# Altium PCB DIOT_Kasli_Adapter.PcbDoc (part 10 of 10)
Units mm, origin at the board's own origin, x right, y up, seen from the top; angles counter-clockwise.
Board outline 220.04 x 100 mm, 12 copper layers (Top Layer, L2GND, L3, L4, L5GND, L6, L7, L8GND, L9, L10, L11GND, Bottom Layer), stack 1.691 mm thick; 201 components, 445 nets, 1582 pads, 691 vias.
Unrouted connection lines stored in the file: 4.
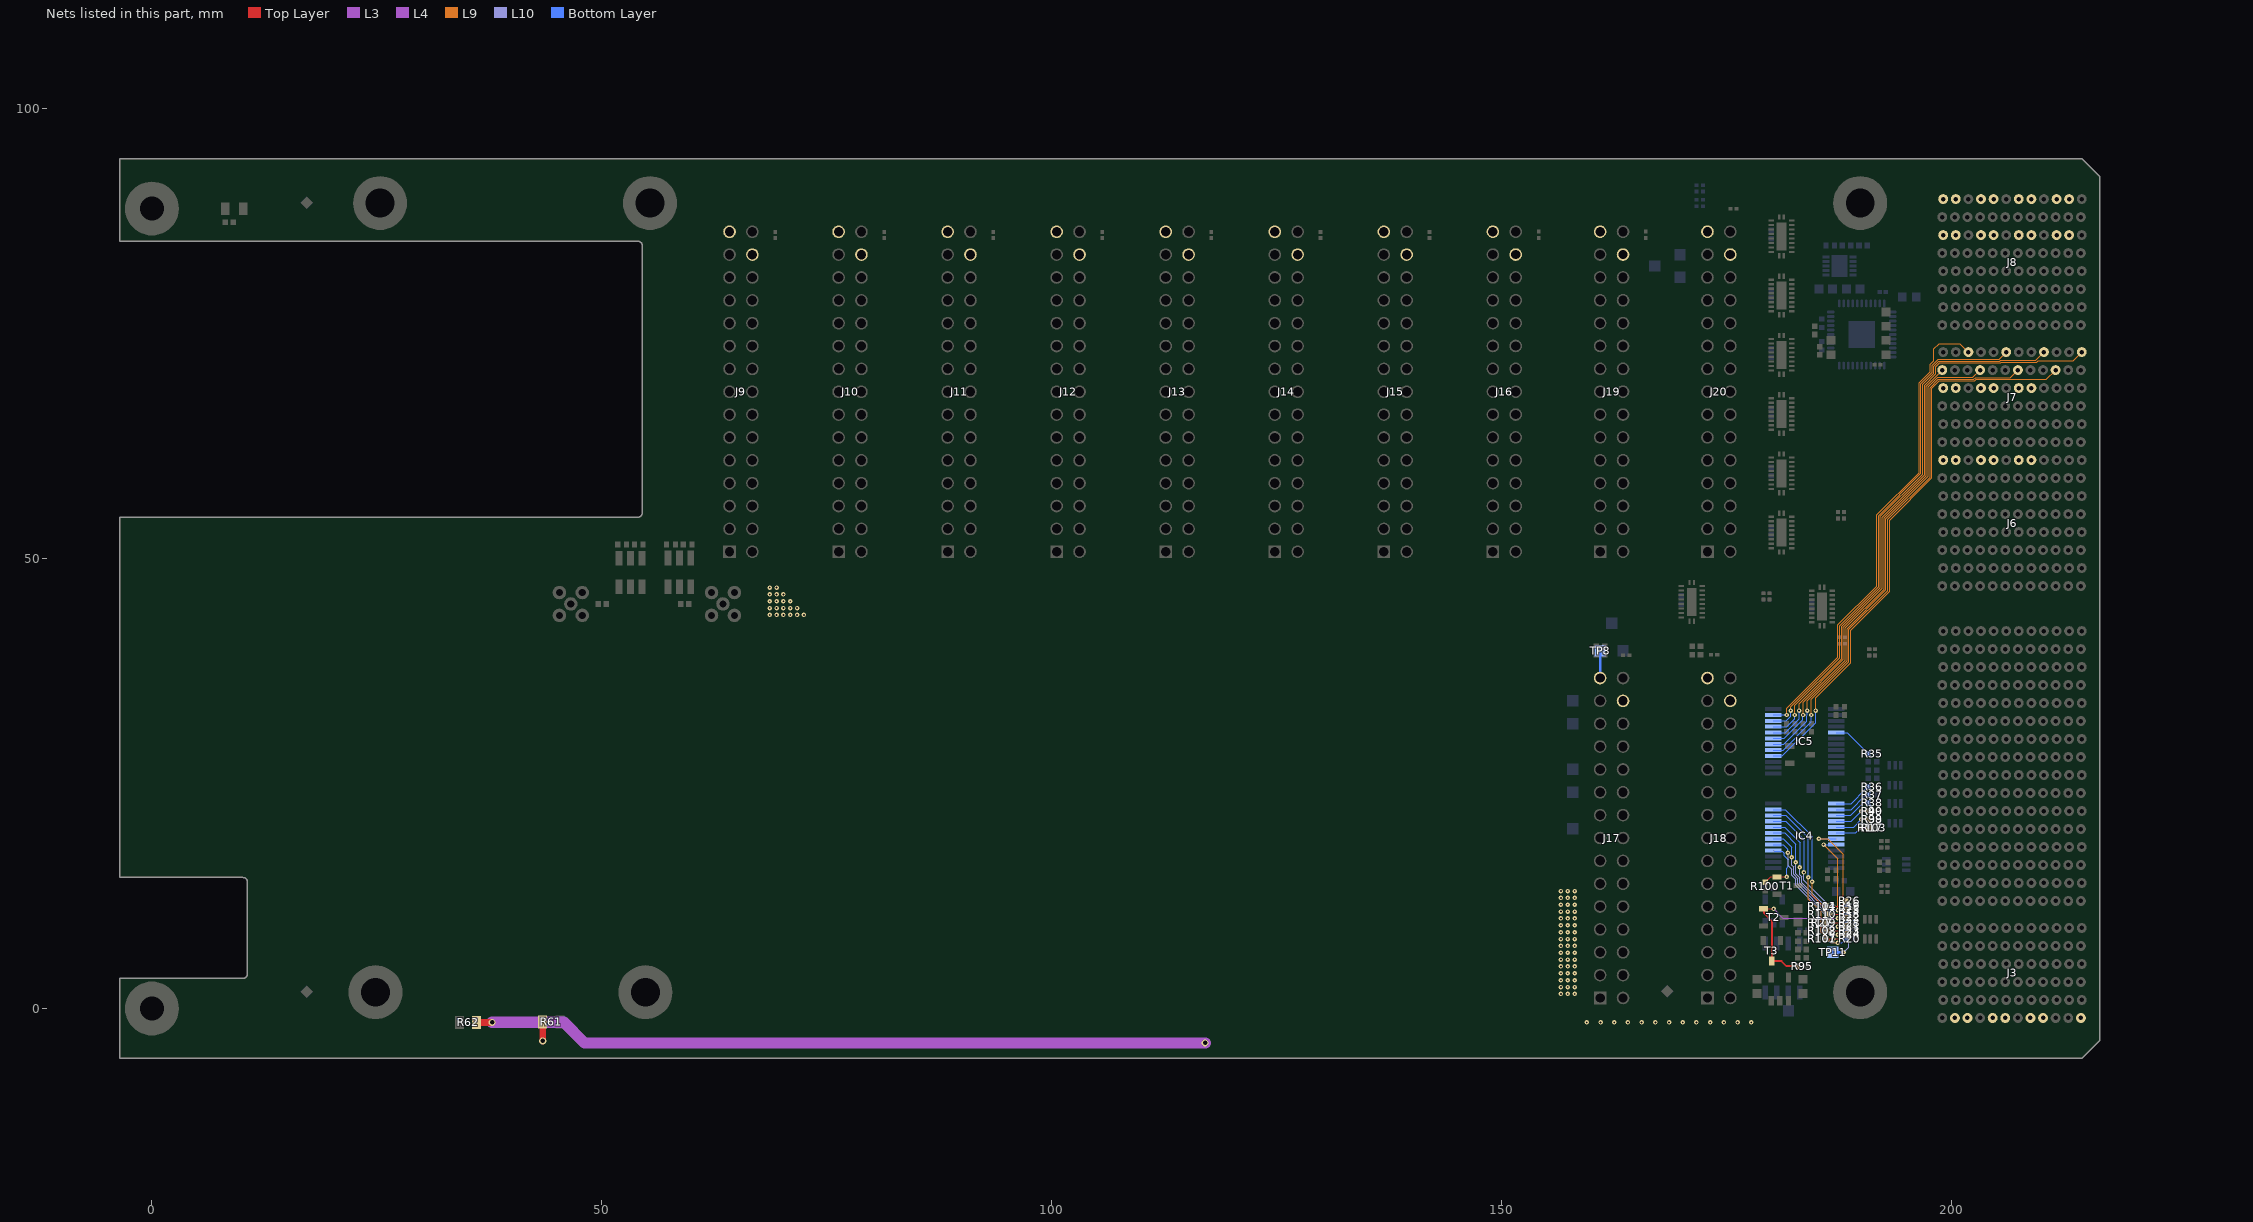
[diagram p20: the nets of this part, all layers, seen from the top]

## Via types
v1: diameter 0.5, hole 0.2, Top Layer to Bottom Layer, tented both sides, 649 vias
v2: diameter 0.5, hole 0.2, Top Layer to Bottom Layer, 32 vias
v3: diameter 0.65, hole 0.3, Top Layer to Bottom Layer, tented both sides, 6 vias
v4: diameter 0.8, hole 0.5, Top Layer to Bottom Layer, tented both sides, 4 vias

## Nets (pads, with @x,y where several pads share a name; then routed paths per layer and width w, separated by ;. In a path a pad name is that pad's centre, name@x,y a point inside that pad or via, vN(x,y) a via of type N, cw(c..) or ccw(c..) an arc to the next point about the centre after c; other vN are vias at no path point) (continued)
P12V0: J3.A1 J3.D1 J3.E1 J3.G1 J3.H1 J3.J1 J3.K1 J9.28 J9.29 J10.28 J10.29 J11.28 J11.29 J12.28 J12.29 J13.28 J13.29 J14.28 J14.29 J15.28 J15.29 J16.28 J16.29 J17.28 J17.29 J18.28 J18.29 J19.28 J19.29 J20.28 J20.29 TP8.1 | length 3
  Bottom Layer w0.254: J17.29@160.947,36.73 TP8.1@160.947,39.778
  other v1: 159.461,-1.549 160.985,-1.549 162.509,-1.549 164.033,-1.549 165.557,-1.549 167.081,-1.549 168.605,-1.549 170.129,-1.549 171.653,-1.549 173.177,-1.549 174.701,-1.549 176.225,-1.549 177.749,-1.549 156.591,1.626 157.353,1.626 158.115,1.626 156.591,2.388 157.353,2.388 158.115,2.388 156.591,3.15 157.353,3.15 158.115,3.15 156.591,3.912 157.353,3.912 158.115,3.912 156.591,4.674 157.353,4.674 158.115,4.674 156.591,5.436 157.353,5.436 158.115,5.436 156.591,6.198 157.353,6.198 158.115,6.198 156.591,6.96 157.353,6.96 158.115,6.96 156.591,7.722 157.353,7.722 158.115,7.722 156.591,8.484 157.353,8.484 158.115,8.484 156.591,9.246 157.353,9.246 158.115,9.246 156.591,10.008 157.353,10.008 158.115,10.008 156.591,10.77 157.353,10.77 158.115,10.77 156.591,11.532 157.353,11.532 158.115,11.532 156.591,12.294 157.353,12.294 158.115,12.294 156.591,13.056 157.353,13.056 158.115,13.056 68.656,43.739 69.418,43.739 70.18,43.739 70.942,43.739 71.704,43.739 72.466,43.739 68.656,44.501 69.418,44.501 70.18,44.501 70.942,44.501 71.704,44.501 68.656,45.263 69.418,45.263 70.18,45.263 70.942,45.263 68.656,46.025 69.418,46.025 70.18,46.025 68.656,46.787 69.418,46.787
P_IO0: IC4.13 R36.1 | length 4.4
  Bottom Layer w0.102: IC4.13@187.166,22.764 188.836,22.764 190.481,24.41 190.501,24.41 190.741,24.649 R36.1@190.741,24.669
P_IO1: IC4.14 R37.1 | length 4.3
  Bottom Layer w0.102: IC4.14@187.166,22.114 188.842,22.114 190.358,23.63 190.615,23.63 R37.1@190.741,23.755
P_IO2: IC4.15 R38.1 | length 4.1
  Bottom Layer w0.102: IC4.15@187.166,21.464 188.798,21.464 190.174,22.84 R38.1@190.741,22.84
P_PRES0_N: IC4.17 R39.1 R98.1 | length 4.7
  Top Layer w0.102: v1(189.954,21.012) R98.1@190.741,21.012
  Bottom Layer w0.102: IC4.17@187.166,20.164 189.107,20.164 v1(189.954,21.012) R39.1@190.741,21.012
P_PRES1_N: IC4.16 R40.1 R99.1 | length 4.8
  Top Layer w0.102: v1(189.954,21.926) R99.1@190.741,21.926
  Bottom Layer w0.102: IC4.16@187.166,20.814 188.842,20.814 v1(189.954,21.926) R40.1@190.741,21.926
P_RST: IC5.17 R35.1 | length 4.6
  Bottom Layer w0.102: IC5.17@187.166,30.67 188.398,30.67 190.481,28.586 190.501,28.586 190.741,28.347 R35.1@190.741,28.327
PRST_N: IC4.11 R23.1 R102.1 | length 20.6
  L9 w0.127: v1(184.505,14.077) 184.505,12.599 186.09,11.014 186.09,8.785 186.676,8.198 v1(187.361,8.198)
  Bottom Layer w0.127: IC4.11@180.166,22.114 181.513,22.114 184.505,19.122 v1(184.505,14.077) ; R102.1@186.115,8.643 186.115,8.623 186.342,8.397 186.362,8.397 186.56,8.198 v1(187.361,8.198) 187.794,8.198 187.992,8.397 188.012,8.397 188.239,8.623 R23.1@188.239,8.643
PS_ON_N: R18.1 R95.1 T2.1 T3.3 TP11.1 | length 24.7
  Top Layer w0.127: T2.1@179.159,10.999 179.23,11.07 v1(180.219,11.07)
  Top Layer w0.203: T2.1@179.159,10.999 179.159,10.584 180.038,9.705 T3.3@180.038,5.275 181.103,5.275 181.658,4.72 R95.1@182.91,4.72
  L10 w0.127: v1(187.361,10.03) 188.595,8.796 188.595,6.833 v1(188.025,6.262)
  L4 w0.127: v1(180.219,11.07) 181.26,10.03 v1(187.361,10.03)
  Bottom Layer w0.127: v1(187.361,10.03) 187.794,10.03 187.992,10.228 188.012,10.228 188.239,10.454 R18.1@188.239,10.474
  Bottom Layer w0.305: TP11.1@186.799,6.262 v1(188.025,6.262)
PWR_Cycle_REQ_4: IC4.4 R100.2 T1.1 | length 6.9
  Top Layer w0.127: R100.2@179.298,14.039 179.88,14.621 v1(181.686,14.621)
  Bottom Layer w0.127: IC4.4@180.166,17.564 180.278,17.452 181.207,17.452 181.397,17.261 181.397,16.987 181.866,16.519 181.866,15.795 181.686,15.614 v1(181.686,14.621)
PWR_FAIL_N: IC4.20 R19.1 R104.1 | length 11.8
  L9 w0.127: v1(185.775,18.218) 187.361,16.631 v1(187.361,10.945)
  Bottom Layer w0.127: v1(185.775,18.218) 185.778,18.214 IC4.20@187.166,18.214 ; R104.1@186.115,11.39 186.115,11.37 186.342,11.144 186.362,11.144 186.56,10.945 v1(187.361,10.945) 187.794,10.945 187.992,11.144 188.012,11.144 188.239,11.37 R19.1@188.239,11.39
PWRBTN_N: IC4.18 R17.1 R103.1 | length 4.6
  Top Layer w0.102: v1(189.954,20.097) R103.1@190.741,20.097
  Bottom Layer w0.102: IC4.18@187.166,19.514 189.371,19.514 v1(189.954,20.097) R17.1@190.741,20.097
RST_N: IC4.10 R20.1 R101.1 | length 20.9
  L9 w0.127: v1(184.073,14.585) 184.073,12.17 185.513,10.73 185.513,8.465 186.695,7.283 v1(187.361,7.283)
  Bottom Layer w0.127: IC4.10@180.166,21.464 181.575,21.464 184.073,18.966 v1(184.073,14.585) ; R101.1@186.115,7.727 186.115,7.707 186.342,7.481 186.362,7.481 186.56,7.283 v1(187.361,7.283) 187.794,7.283 187.992,7.481 188.012,7.481 188.239,7.707 R20.1@188.239,7.727
SERVMOD.1_SERVMOD_5: IC5.4 J7.C5 | length 63.4
  L9 w0.102: v1(184.882,33.104) 184.882,34.548 188.788,38.454 188.788,42.039 193.114,46.366 193.114,54.27 197.808,58.965 197.808,68.928 198.62,69.739 202.575,69.739 202.757,69.921 210.54,69.921 J7.C5@211.569,70.95
  Bottom Layer w0.102: IC5.4@180.166,28.07 180.172,28.076 181.184,28.076 184.882,31.774 v1(184.882,33.104)
SERVMOD.2_SERVMOD_5: IC5.5 J7.F5 | length 58.7
  L9 w0.102: v1(184.411,32.62) 184.411,34.364 188.585,38.538 188.585,42.123 192.911,46.45 192.911,54.355 197.605,59.049 197.605,69.012 198.536,69.942 202.491,69.942 202.673,70.124 206.543,70.124 J7.F5@207.369,70.95
  Bottom Layer w0.102: IC5.5@180.166,28.72 181.278,28.72 184.411,31.852 v1(184.411,32.62)
SERVMOD.3_SERVMOD_5: IC5.6 J7.I5 | length 54.1
  L9 w0.102: v1(183.966,33.104) 183.966,34.207 188.381,38.622 188.381,42.208 192.708,46.534 192.708,54.439 197.402,59.133 197.402,69.096 198.452,70.145 202.364,70.145 J7.I5@203.169,70.95
  Bottom Layer w0.102: IC5.6@180.166,29.37 181.323,29.37 183.897,31.944 183.897,32.505 183.966,32.573 v1(183.966,33.104)
SERVMOD.4_SERVMOD_5: IC5.7 J7.L5 | length 49.4
  L9 w0.102: v1(183.495,32.62) 183.495,34.023 188.178,38.707 188.178,42.292 192.505,46.618 192.505,54.523 197.199,59.217 197.199,69.18 J7.L5@198.969,70.95
  Bottom Layer w0.102: IC5.7@180.166,30.02 181.399,30.02 183.479,32.1 183.479,32.604 v1(183.495,32.62)
SERVMOD.5_SERVMOD_5: IC5.8 J7.A6 | length 65.8
  L9 w0.102: v1(183.05,33.104) 183.05,33.866 187.975,38.791 187.975,42.376 192.302,46.702 192.302,54.607 196.996,59.301 196.996,69.282 198.238,70.524 198.238,71.321 198.67,71.753 205.446,71.753 205.53,71.836 209.476,71.836 209.646,72.006 213.525,72.006 J7.A6@214.469,72.95
  Bottom Layer w0.102: IC5.8@180.167,30.671 181.545,30.671 183.05,32.176 v1(183.05,33.104)
SERVMOD.6_SERVMOD_5: IC5.9 J7.D6 | length 61.3
  L9 w0.102: v1(182.579,32.62) 182.579,33.682 187.772,38.875 187.772,42.46 192.098,46.787 192.098,54.691 196.792,59.385 196.792,69.366 198.035,70.609 198.035,71.405 198.586,71.956 205.362,71.956 205.445,72.039 209.358,72.039 J7.D6@210.269,72.95
  Bottom Layer w0.102: IC5.9@180.166,31.32 181.701,31.32 182.579,32.198 v1(182.579,32.62)
SERVMOD.7_SERVMOD_5: IC5.10 J7.G6 | length 56.5
  L9 w0.102: v1(182.135,33.104) 182.135,33.525 187.569,38.959 187.569,42.544 191.895,46.871 191.895,54.775 196.589,59.47 196.589,69.451 197.831,70.693 197.831,71.489 198.502,72.159 205.278,72.159 J7.G6@206.069,72.95
  Bottom Layer w0.102: IC5.10@180.166,31.97 181.609,31.97 182.135,32.495 v1(182.135,33.104)
SERVMOD.8_SERVMOD_5: IC5.11 J7.J6 | length 53.5
  L9 w0.102: v1(181.69,32.62) 181.69,33.368 187.365,39.043 187.365,42.628 191.692,46.955 191.692,54.86 196.386,59.554 196.386,69.535 197.628,70.777 197.628,71.579 198.045,71.996 198.045,73.331 198.614,73.9 200.919,73.9 J7.J6@201.869,72.95
  Bottom Layer w0.102: IC5.11@180.166,32.62 v1(181.69,32.62)
SHARED_BUS_0: IC4.5 R24.1 R107.1 | length 16.3
  Top Layer w0.127: R107.1@186.115,7.727 v1(186.877,7.727) 187.68,7.727 187.992,8.04 188.012,8.04 188.239,8.266 R24.1@188.239,8.286
  L10 w0.127: v1(181.813,17.303) 181.829,17.286 181.829,15.872 182.219,15.482 182.219,14.8 182.676,14.343 182.676,13.706 185.913,10.469 185.913,9.233 186.361,8.785 186.361,8.244 v1(186.877,7.727)
  Bottom Layer w0.127: IC4.5@180.166,18.214 181.285,18.214 181.813,17.687 v1(181.813,17.303)
SHARED_BUS_1: IC4.6 R21.1 R108.1 | length 16
  Top Layer w0.127: R108.1@186.115,8.643 v1(186.877,8.643) 187.68,8.643 187.992,8.955 188.012,8.955 188.239,9.182 R21.1@188.239,9.202
  L10 w0.127: v1(182.244,16.812) 182.244,15.942 182.448,15.739 182.448,14.895 182.905,14.438 182.905,13.801 186.157,10.549 186.157,9.364 v1(186.877,8.643)
  Bottom Layer w0.127: IC4.6@180.166,18.864 181.311,18.864 182.244,17.931 v1(182.244,16.812)
SHARED_BUS_2: IC4.7 R22.1 R109.1 | length 15.8
  Top Layer w0.127: R109.1@186.115,9.559 v1(186.877,9.559) 187.68,9.559 187.992,9.871 188.012,9.871 188.239,10.098 R22.1@188.239,10.118
  L10 w0.127: v1(182.676,16.264) 182.676,14.99 183.133,14.532 183.133,13.895 186.409,10.62 186.409,10.028 v1(186.877,9.559)
  Bottom Layer w0.127: IC4.7@180.166,19.514 181.441,19.514 182.676,18.279 v1(182.676,16.264)
SHARED_BUS_3: IC4.8 R25.1 R110.1 | length 15.6
  Top Layer w0.127: R110.1@186.115,10.474 v1(186.877,10.474) 187.68,10.474 187.992,10.787 188.012,10.787 188.239,11.013 R25.1@188.239,11.033
  L10 w0.127: v1(183.136,15.692) 183.136,14.853 183.362,14.627 183.362,13.99 v1(186.877,10.474)
  Bottom Layer w0.127: IC4.8@180.166,20.164 181.443,20.164 183.159,18.448 183.159,15.715 v1(183.136,15.692)
SHARED_BUS_4: IC4.9 R26.1 R111.1 | length 15.7
  Top Layer w0.127: R111.1@186.115,11.39 v1(186.877,11.39) 187.68,11.39 187.992,11.702 188.012,11.702 188.239,11.929 R26.1@188.239,11.949
  L10 w0.127: v1(183.591,15.119) 183.591,14.253 186.453,11.39 v1(186.877,11.39)
  Bottom Layer w0.127: IC4.9@180.166,20.814 181.561,20.814 183.641,18.734 183.641,15.17 v1(183.591,15.119)
SLOT6.LVDS_8_3_N: J6.F8
SLOT6.LVDS_8_3_P: J6.E8
SLOT6.LVDS_9_3_N: J6.I8
SLOT6.LVDS_9_3_P: J6.H8
SLOT6.LVDS_10_3_N: J6.L8
SLOT6.LVDS_10_3_P: J6.K8
SLOT6.LVDS_11_3_N: J8.C6
SLOT6.LVDS_11_3_P: J8.B6
SLOT6.LVDS_12_3_N: J8.F6
SLOT6.LVDS_12_3_P: J8.E6
SLOT6.LVDS_13_3_N: J8.I6
SLOT6.LVDS_13_3_P: J8.H6
SLOT6.LVDS_14_3_N: J8.L6
SLOT6.LVDS_14_3_P: J8.K6
SLOT8.LVDS_8_3_N: J7.F4
SLOT8.LVDS_8_3_P: J7.E4
SLOT8.LVDS_9_3_N: J7.I4
SLOT8.LVDS_9_3_P: J7.H4
SLOT8.LVDS_10_3_N: J7.L4
SLOT8.LVDS_10_3_P: J7.K4
SLOT8.LVDS_11_3_N: J8.C8
SLOT8.LVDS_11_3_P: J8.B8
SLOT8.LVDS_12_3_N: J8.F8
SLOT8.LVDS_12_3_P: J8.E8
SLOT8.LVDS_13_3_N: J8.I8
SLOT8.LVDS_13_3_P: J8.H8
SLOT8.LVDS_14_3_N: J8.L8
SLOT8.LVDS_14_3_P: J8.K8
STRIP2_5: R61.1 | length 2.1
  Top Layer w0.762: v4(43.43,-3.6) R61.1@43.43,-1.488
STRIP3_5: R62.1 | length 81.9
  Top Layer w0.762: R62.1@36.08,-1.538 v4(37.795,-1.538)
  L3 w1.27: v4(37.795,-1.538) 45.79,-1.538 48.082,-3.83 v4(117.043,-3.83)
SYSEN_5_N: IC4.19 R27.1 R28.1 | length 16.1
  L9 w0.127: v1(185.267,18.864) 186.246,18.864 187.959,17.151 187.959,9.712 v1(187.361,9.114)
  Bottom Layer w0.127: v1(185.267,18.864) IC4.19@187.166,18.864 ; R27.1@186.115,9.559 186.115,9.539 186.342,9.312 186.362,9.312 186.56,9.114 v1(187.361,9.114) 187.794,9.114 187.992,9.312 188.012,9.312 188.239,9.539 R28.1@188.239,9.559
pads on no net: D1.2 D4.3 FTG1.1 FTG2.1 FTG3.1 FTG4.1 FTG5.1 FTG6.1 IC1.11 IC1.13 IC1.21 IC1.24 IC1.25 IC1.26 IC1.27 IC1.28 IC2.4 IC3.4 IC4.1 IC5.1 IC6.7 IC7.5 IC8.1 IC8.10 IC9.1 IC9.10 IC10.1 IC10.10 IC11.1 IC11.10 IC12.1 IC12.10 IC13.1 IC13.10 IC14.1 IC14.10 IC15.1 IC15.10 J3.D5 J3.E4 J3.E5 J3.F4 J3.K2 J4.A1 J4.B1 J4.B2 J4.C2 J4.D1 J4.D3 J4.E1 J4.E2 J4.E3 J4.F2 J4.G1 J4.H1 J4.H2 J4.I2 J4.J1 J4.K1 J4.K2 J4.L2 J6.D1 J6.D3 J6.D5 J6.D7 J6.E1 J6.E3 J6.E5 J6.E7 J7.D1 J7.D3 J7.E1 J7.E3

## Polygon pours and split planes (outlines as drawn)
GND on Bottom Layer "GND_L12_P250" (solid, remove dead copper, pour order 250): -3.57,54.604 54,54.604 54.5,55.104 54.5,84.774 54,85.274 -3.57,85.274 -3.57,92.45 216.469,92.45 216.469,-2.998 3.962,-2.998 3.962,3.353 10.117,3.353 10.617,3.853 10.617,14.061 10.117,14.561 -3.57,14.561
P3V3 on Bottom Layer "P3V3_L12_P242" (solid, remove dead copper, pour order 242): 186.588,30.169 186.588,24.917 186.114,24.443 185.996,24.443 183.388,27.051 180.746,27.051 180.645,27.153 180.645,27.537 180.819,27.711 181.788,27.711 184.833,30.757 186.001,30.757
P3V3 on Bottom Layer "P3V3_L12_P241" (solid, remove dead copper, pour order 241): 186.487,81.331 186.487,86.589 185.344,87.732 185.344,92.1 184.994,92.45 182.392,92.45 182.027,92.085 182.027,91.252 184.023,89.256 184.023,79.146 184.328,78.842 185.09,78.842 185.699,79.451 185.699,80.543
GND on Bottom Layer "GND_L12_P214" (solid, remove dead copper, pour order 214): 198.43,47.15 198.43,41.225 216.205,41.225 216.205,47.15
STRIP3_5 on Bottom Layer "esd1" (solid, pour order 227): 213.963,-4.55 213.98,-4.55 215.48,-3.05 116.43,-3.05 116.43,-4.55
STRIP2_5 on Bottom Layer "esd1" (solid, pour order 226): 79.363,-4.55 96.43,-4.55 96.43,-3.05 41.43,-3.05 41.43,-4.55
CHASSIS on Bottom Layer "esd1" (solid, pour order 225): -3.32,1.525 3.805,1.525 3.805,-3 36.43,-3 36.43,-4.5 -3.32,-4.5
P1V8 on Bottom Layer "P1V8_L12_P216" (solid, remove dead copper, pour order 216): 195.214,81.277 194.412,82.079 191.874,82.079 190.856,81.061 190.856,79.988 190.749,79.881 188.914,79.881 188.617,80.178 188.617,81.861 188.956,82.2 190.036,82.2 191.112,83.276 195.684,83.276 197.083,81.878 197.083,78.245 196.885,78.048 195.396,78.048 195.214,78.23
GND on Top Layer "GND_L01_P243" (solid, remove dead copper, pour order 243): -3.57,54.604 54,54.604 54.5,55.104 54.5,84.774 54,85.274 -3.57,85.274 -3.57,92.45 216.469,92.45 216.469,-2.998 3.962,-2.998 3.962,3.353 10.117,3.353 10.617,3.853 10.617,14.061 10.117,14.561 -3.57,14.561
STRIP3_5 on Top Layer "esd1" (solid, pour order 232): 213.963,-4.55 213.98,-4.55 215.48,-3.05 116.43,-3.05 116.43,-4.55
GND on Top Layer "GND_L01_P213" (solid, remove dead copper, pour order 213): 198.43,47.15 198.43,41.225 216.205,41.225 216.205,47.15
P3V3 on Top Layer "P3V3_L01_P228" (solid, remove dead copper, pour order 228): 188.493,14.101 185.773,11.38 185.773,6.017 185.622,5.867 184.508,5.867 184.307,6.068 184.307,12.121 186.685,14.499 186.685,27.391 184.8,29.276 184.8,30.293 185.176,30.669 186.35,30.669 188.341,28.677 188.341,26.154 192.176,22.319 192.176,19.688 191.918,19.43 190.607,19.43 188.493,17.316
STRIP2_5 on Top Layer "esd1" (solid, pour order 230): 79.363,-4.55 96.43,-4.55 96.43,-3.05 41.43,-3.05 41.43,-4.55
CHASSIS on Top Layer "esd1" (solid, pour order 229): -3.32,1.525 3.805,1.525 3.805,-3 36.43,-3 36.43,-4.5 -3.32,-4.5
no net on Mechanical 9 "Panelisation" (hatched 45Degree grid 2.54 track 0.1, pour order 189): -20.97,-7.94 234.105,-7.94 234.105,-22.94 -20.97,-22.94
no net on Mechanical 9 "Panelisation" (hatched 45Degree grid 2.54 track 0.1): -20.969,96.86 234.045,96.86 234.045,111.86 -20.969,111.86
P12V0 on L6 "L6-P12V0" (solid, remove dead copper, pour order 238): 69.215,39.827 154.661,39.827 155.372,39.116 155.372,-0.813 157.099,-2.54 214.249,-2.54 215.113,-1.676 215.113,-0.618 214.52,-0.025 194.386,-0.025 193.396,-1.016 182.55,-1.016 181.851,-0.318 160.312,-0.318 159.614,0.381 159.614,29.794 160.274,30.455 174.217,30.455 176.632,32.87 176.632,35.51 174.067,38.075 166.597,38.075 161.339,43.332 144.221,43.332 142.697,44.856 100.076,44.856 96.266,48.666 90.607,48.666 86.766,52.507 86.766,70.688 88.087,72.009 141.808,72.009 146.99,77.191 165.786,77.191 168.402,79.807 173.969,79.807 176.733,82.571 176.733,85.009 173.782,87.96 63.475,87.96 62.535,87.02 62.535,85.217 68.25,79.502 68.25,40.792
P12V0 on L3 "P12V0_L03_P253" (solid, remove dead copper, pour order 253): 214.52,-0.025 215.113,-0.618 215.113,-1.676 214.249,-2.54 157.099,-2.54 155.372,-0.813 155.372,13.478 155.966,14.072 159.004,14.072 159.614,13.462 159.614,0.381 160.312,-0.318 181.851,-0.318 182.55,-1.016 193.396,-1.016 194.386,-0.025
P3V3 on L3 "P3V3_L03_P240" (solid, remove dead copper, pour order 240): 178.206,88.57 182.087,92.45 184.994,92.45 185.344,92.1 185.344,87.782 182.143,84.582 182.143,51.511 184.531,49.124 184.531,44.518 182.837,42.824 170.133,42.824 168.251,44.706 168.251,45.498 171.877,49.124 176.432,49.124 177.419,50.111 177.419,52.222 178.206,53.01
P12V0 on L9 "P12V0_L09_P252" (solid, remove dead copper, pour order 252): 68.25,46.914 68.555,47.219 69.621,47.219 73.254,43.586 155.956,43.586 158.577,40.966 158.577,14.651 159.614,13.614 159.614,0.381 160.312,-0.318 181.851,-0.318 182.55,-1.016 193.396,-1.016 193.904,-0.508 214.655,-0.508 215.113,-0.965 215.113,-1.676 214.249,-2.54 157.099,-2.54 155.245,-0.686 155.245,38.989 154.407,39.827 69.215,39.827 68.25,40.792
P3V3 on L9 "L9-P3V3" (solid, remove dead copper, pour order 239): 161.95,36.474 161.95,38.735 156.362,44.323 73.381,44.323 69.215,48.489 69.215,83.744 68.021,84.938 66.04,84.938 65.329,85.649 65.329,87.02 66.065,87.757 177.394,87.757 182.087,92.45 184.994,92.45 185.344,92.1 185.344,87.782 182.499,84.938 75.184,84.938 73.304,83.058 73.304,49.886 74.701,48.489 160.884,48.489 163.779,45.593 169.577,45.593 170.586,44.583 170.586,41.58 174.142,38.024 176.124,38.024 179.451,34.696 179.451,32.918 181.458,30.912 185.777,30.912 186.157,30.532 186.157,30.229 185.875,29.947 180.645,29.947 178.029,32.563 178.029,33.858 176.352,35.535 162.89,35.535
P12V0 on L7 "P12V0_L07_P251" (solid, remove dead copper, pour order 251): 214.52,-0.025 215.113,-0.618 215.113,-1.676 214.249,-2.54 157.099,-2.54 155.372,-0.813 155.372,13.478 155.966,14.072 159.004,14.072 159.614,13.462 159.614,0.381 160.312,-0.318 181.851,-0.318 182.55,-1.016 193.396,-1.016 194.386,-0.025
P1V8_CLK_Si_1 on L7 "P1V8_CLK_SI_1_L07_P215" (solid, remove dead copper, pour order 215): 186.497,72.66 186.129,72.66 185.405,71.936 185.405,71.169 185.767,70.807 194.143,70.807 194.869,71.533 194.869,73.23 194.175,73.924 194.175,76.022 195.224,77.071 195.224,77.73 194.906,78.048 193.829,78.048 192.652,76.871 192.652,72.66 192.091,72.098 190.008,72.098 189.128,72.978 186.815,72.978
P12V0 on L10 "P12V0_L10_P254" (solid, remove dead copper, pour order 254): 214.52,-0.025 215.113,-0.618 215.113,-1.676 214.249,-2.54 157.099,-2.54 155.372,-0.813 155.372,13.478 155.966,14.072 159.004,14.072 159.614,13.462 159.614,0.381 160.312,-0.318 181.851,-0.318 182.55,-1.016 193.396,-1.016 194.386,-0.025
GND on L2GND (split plane): 215.966,92.242 215.966,-3.342 214.261,-5.048 -3.068,-5.048 -3.068,2.85 10.117,2.85 10.142,2.853 10.166,2.853 10.264,2.862 10.288,2.867 10.313,2.87 10.336,2.877 10.36,2.882 10.383,2.891 10.407,2.898 10.587,2.973 10.674,3.019 10.75,3.082 10.888,3.22 10.95,3.296 10.997,3.383 11.072,3.563 11.079,3.587 11.088,3.609 11.093,3.634 11.1,3.657 11.103,3.682 11.107,3.706 11.117,3.804 11.117,3.828 11.119,3.853 11.12,14.061 11.117,14.086 11.117,14.11 11.108,14.208 11.103,14.232 11.1,14.257 11.093,14.28 11.088,14.304 11.079,14.327 11.072,14.351 10.997,14.531 10.951,14.618 10.888,14.694 10.75,14.832 10.674,14.894 10.587,14.941 10.407,15.016 10.383,15.023 10.36,15.032 10.336,15.037 10.312,15.044 10.288,15.047 10.264,15.051 10.166,15.061 10.142,15.061 10.117,15.063 -3.068,15.063 -3.068,54.102 54,54.102 54.025,54.104 54.049,54.104 54.147,54.114 54.171,54.119 54.196,54.121 54.219,54.128 54.243,54.133 54.266,54.142 54.29,54.15 54.47,54.224 54.557,54.271 54.633,54.333 54.771,54.471 54.833,54.547 54.88,54.634 54.955,54.814 54.962,54.838 54.971,54.861 54.976,54.885 54.983,54.909 54.986,54.933 54.99,54.957 55,55.055 55,55.08 55.002,55.104 55.002,84.774 55,84.798 55,84.823 54.99,84.921 54.986,84.945 54.983,84.969 54.976,84.993 54.971,85.017 54.962,85.04 54.955,85.064 54.88,85.244 54.833,85.331 54.771,85.407 54.633,85.545 54.557,85.607 54.47,85.654 54.29,85.728 54.266,85.735 54.243,85.745 54.219,85.75 54.196,85.757 54.171,85.759 54.147,85.764 54.049,85.774 54.025,85.774 54,85.776 -3.068,85.776 -3.068,93.948 214.261,93.948
GND on L5GND (split plane): 215.966,92.242 215.966,-3.342 214.261,-5.048 -3.068,-5.048 -3.068,2.85 10.117,2.85 10.142,2.853 10.166,2.853 10.264,2.862 10.288,2.867 10.313,2.87 10.336,2.877 10.36,2.882 10.383,2.891 10.407,2.898 10.587,2.973 10.674,3.019 10.75,3.082 10.888,3.22 10.95,3.296 10.997,3.383 11.072,3.563 11.079,3.587 11.088,3.609 11.093,3.634 11.1,3.657 11.103,3.682 11.107,3.706 11.117,3.804 11.117,3.828 11.119,3.853 11.12,14.061 11.117,14.086 11.117,14.11 11.108,14.208 11.103,14.232 11.1,14.257 11.093,14.28 11.088,14.304 11.079,14.327 11.072,14.351 10.997,14.531 10.951,14.618 10.888,14.694 10.75,14.832 10.674,14.894 10.587,14.941 10.407,15.016 10.383,15.023 10.36,15.032 10.336,15.037 10.312,15.044 10.288,15.047 10.264,15.051 10.166,15.061 10.142,15.061 10.117,15.063 -3.068,15.063 -3.068,54.102 54,54.102 54.025,54.104 54.049,54.104 54.147,54.114 54.171,54.119 54.196,54.121 54.219,54.128 54.243,54.133 54.266,54.142 54.29,54.15 54.47,54.224 54.557,54.271 54.633,54.333 54.771,54.471 54.833,54.547 54.88,54.634 54.955,54.814 54.962,54.838 54.971,54.861 54.976,54.885 54.983,54.909 54.986,54.933 54.99,54.957 55,55.055 55,55.08 55.002,55.104 55.002,84.774 55,84.798 55,84.823 54.99,84.921 54.986,84.945 54.983,84.969 54.976,84.993 54.971,85.017 54.962,85.04 54.955,85.064 54.88,85.244 54.833,85.331 54.771,85.407 54.633,85.545 54.557,85.607 54.47,85.654 54.29,85.728 54.266,85.735 54.243,85.745 54.219,85.75 54.196,85.757 54.171,85.759 54.147,85.764 54.049,85.774 54.025,85.774 54,85.776 -3.068,85.776 -3.068,93.948 214.261,93.948
GND on L8GND (split plane): 215.966,92.242 215.966,-3.342 214.261,-5.048 -3.068,-5.048 -3.068,2.85 10.117,2.85 10.142,2.853 10.166,2.853 10.264,2.862 10.288,2.867 10.313,2.87 10.336,2.877 10.36,2.882 10.383,2.891 10.407,2.898 10.587,2.973 10.674,3.019 10.75,3.082 10.888,3.22 10.95,3.296 10.997,3.383 11.072,3.563 11.079,3.587 11.088,3.609 11.093,3.634 11.1,3.657 11.103,3.682 11.107,3.706 11.117,3.804 11.117,3.828 11.119,3.853 11.12,14.061 11.117,14.086 11.117,14.11 11.108,14.208 11.103,14.232 11.1,14.257 11.093,14.28 11.088,14.304 11.079,14.327 11.072,14.351 10.997,14.531 10.951,14.618 10.888,14.694 10.75,14.832 10.674,14.894 10.587,14.941 10.407,15.016 10.383,15.023 10.36,15.032 10.336,15.037 10.312,15.044 10.288,15.047 10.264,15.051 10.166,15.061 10.142,15.061 10.117,15.063 -3.068,15.063 -3.068,54.102 54,54.102 54.025,54.104 54.049,54.104 54.147,54.114 54.171,54.119 54.196,54.121 54.219,54.128 54.243,54.133 54.266,54.142 54.29,54.15 54.47,54.224 54.557,54.271 54.633,54.333 54.771,54.471 54.833,54.547 54.88,54.634 54.955,54.814 54.962,54.838 54.971,54.861 54.976,54.885 54.983,54.909 54.986,54.933 54.99,54.957 55,55.055 55,55.08 55.002,55.104 55.002,84.774 55,84.798 55,84.823 54.99,84.921 54.986,84.945 54.983,84.969 54.976,84.993 54.971,85.017 54.962,85.04 54.955,85.064 54.88,85.244 54.833,85.331 54.771,85.407 54.633,85.545 54.557,85.607 54.47,85.654 54.29,85.728 54.266,85.735 54.243,85.745 54.219,85.75 54.196,85.757 54.171,85.759 54.147,85.764 54.049,85.774 54.025,85.774 54,85.776 -3.068,85.776 -3.068,93.948 214.261,93.948
GND on L11GND (split plane): 215.966,92.242 215.966,-3.342 214.261,-5.048 -3.068,-5.048 -3.068,2.85 10.117,2.85 10.142,2.853 10.166,2.853 10.264,2.862 10.288,2.867 10.313,2.87 10.336,2.877 10.36,2.882 10.383,2.891 10.407,2.898 10.587,2.973 10.674,3.019 10.75,3.082 10.888,3.22 10.95,3.296 10.997,3.383 11.072,3.563 11.079,3.587 11.088,3.609 11.093,3.634 11.1,3.657 11.103,3.682 11.107,3.706 11.117,3.804 11.117,3.828 11.119,3.853 11.12,14.061 11.117,14.086 11.117,14.11 11.108,14.208 11.103,14.232 11.1,14.257 11.093,14.28 11.088,14.304 11.079,14.327 11.072,14.351 10.997,14.531 10.951,14.618 10.888,14.694 10.75,14.832 10.674,14.894 10.587,14.941 10.407,15.016 10.383,15.023 10.36,15.032 10.336,15.037 10.312,15.044 10.288,15.047 10.264,15.051 10.166,15.061 10.142,15.061 10.117,15.063 -3.068,15.063 -3.068,54.102 54,54.102 54.025,54.104 54.049,54.104 54.147,54.114 54.171,54.119 54.196,54.121 54.219,54.128 54.243,54.133 54.266,54.142 54.29,54.15 54.47,54.224 54.557,54.271 54.633,54.333 54.771,54.471 54.833,54.547 54.88,54.634 54.955,54.814 54.962,54.838 54.971,54.861 54.976,54.885 54.983,54.909 54.986,54.933 54.99,54.957 55,55.055 55,55.08 55.002,55.104 55.002,84.774 55,84.798 55,84.823 54.99,84.921 54.986,84.945 54.983,84.969 54.976,84.993 54.971,85.017 54.962,85.04 54.955,85.064 54.88,85.244 54.833,85.331 54.771,85.407 54.633,85.545 54.557,85.607 54.47,85.654 54.29,85.728 54.266,85.735 54.243,85.745 54.219,85.75 54.196,85.757 54.171,85.759 54.147,85.764 54.049,85.774 54.025,85.774 54,85.776 -3.068,85.776 -3.068,93.948 214.261,93.948

## Keep-outs
Keep-Out Layer:
  region: 202.467,42.705 215.905,42.705 215.905,46.205 202.467,46.205
  lines w0.5: -3.57,-5.55 -3.57,3.353 10.117,3.353 ccw(c10.117,3.853) 10.617,3.853 10.617,14.061 ccw(c10.117,14.061) 10.117,14.561 -3.57,14.561 -3.57,54.604 54,54.604 ccw(c54,55.104) 54.5,55.104 54.5,84.774 ccw(c54,84.774) 54,85.274 -3.57,85.274 -3.57,94.45 214.469,94.45 216.469,92.45 216.469,-3.55 214.469,-5.55 -3.57,-5.55 ; 24.5,9 ccw(c25,9) 25,8.5 61.2,8.5 cw(c61.2,8) 61.7,8 61.7,1.5 ccw(c62.2,1.5) 62.2,1 153.7,1 ccw(c153.7,1.5) 154.2,1.5 154.2,38.8 ccw(c153.7,38.8) 153.7,39.3 25,39.3 ccw(c25,38.8) 24.5,38.8 24.5,9

## Other copper
Top Layer:
  rectangle net P5V0_MP: 182.806,-0.373 184.478,0.714
  region net P3V3: 186.44,12.162 186.44,13.25 185.939,13.25 185.939,12.162
  region net P1V8_CLK_Si_1: 194.056,71.895 192.969,71.895 192.969,71.393 194.056,71.393
  region net P1V8_CLK_Si_1: 195.072,77.657 193.985,77.657 193.985,77.155 195.072,77.155
  region net P1V8_CLK_Si_1: 187.08,71.895 185.993,71.895 185.993,71.393 187.08,71.393
  rectangle net P3V3: 178.354,58.974 179.442,59.476
  rectangle net P3V3: 168.38,44.692 169.468,45.193
  rectangle net P3V3: 182.85,44.184 183.937,44.685
  rectangle net P3V3: 178.354,85.318 179.442,85.82
  rectangle net P3V3: 178.354,78.732 179.442,79.234
  rectangle net P3V3: 178.354,72.146 179.442,72.648
  rectangle net P3V3: 178.354,65.56 179.442,66.062
  rectangle net P3V3: 178.201,52.388 179.289,52.89
L4:
  rectangle net P5V0_MP: 182.806,-0.373 184.478,0.714
Bottom Layer:
  rectangle net P5V0_MP: 182.806,-0.373 184.478,0.714
  region net P3V3: 185.623,5.895 185.623,6.983 184.534,6.983 184.534,5.895
  region net P3V3: 186.038,30.517 184.951,30.517 184.951,30.016 186.038,30.016
  rectangle net P3V3: 182.85,44.183 183.937,44.685
  rectangle net P3V3: 168.38,44.691 169.468,45.193
  rectangle net P3V3: 178.354,52.388 179.442,52.889
  rectangle net P3V3: 178.354,58.974 179.442,59.475
  rectangle net P3V3: 178.354,85.318 179.442,85.819
  rectangle net P3V3: 178.354,78.732 179.442,79.233
  rectangle net P3V3: 178.354,72.146 179.442,72.647
  rectangle net P3V3: 178.354,65.56 179.442,66.061
  region net P3V3: 186.44,12.162 186.44,13.25 185.939,13.25 185.939,12.162
  region net P1V8_CLK_Si_1: 194.056,71.895 192.969,71.895 192.969,71.393 194.056,71.393
  region net P1V8_CLK_Si_1: 195.072,77.657 193.985,77.657 193.985,77.155 195.072,77.155
  rectangle net P1V8_CLK_Si_1: 185.993,71.393 187.081,71.895

## Silkscreen, mask and mechanical layers (free items; w line width, h text height)
Top Overlay:
  text "EEM 10" at 159.056,56.46 h1.52 r90
  text "EEM 11" at 171.175,56.46 h1.52 r90
  text "EEM 0" at 62.299,56.452 h1.52 r90
  text "EEM 1" at 74.418,56.452 h1.52 r90
  text "EEM 2" at 86.537,56.452 h1.52 r90
  text "EEM 3" at 98.656,56.452 h1.52 r90
  text "EEM 4" at 110.775,56.452 h1.52 r90
  text "EEM 5" at 122.894,56.452 h1.52 r90
  text "EEM 6" at 135.013,56.452 h1.52 r90
  text "EEM 7" at 147.132,56.452 h1.52 r90
  text "DIOT_Kasli_Adapter v1.0" at 101.251,45.216 h1.6
  text "Clock" at 51.918,42.901 h1.52
  text "CLK 1" at 36.282,41.452 h1.52
  text "CLK 0" at 66.65,41.453 h1.52
  text "WUT ISE 2023" at 110.768,41.25 h1.02
  text "inputs" at 51.156,40.361 h1.52
  text "Licensed under CERN-OHL-W v2 or later" at 106.218,40.166 h0.6
  text "EEM 8" at 159.056,6.86 h1.52 r90
  text "EEM 9" at 170.981,6.86 h1.52 r90
Bottom Overlay:
  lines w0.127: 155.854,22.558 158.915,22.558 ; 155.854,28.042 158.915,28.042 ; 155.854,30.178 158.915,30.178 ; 155.854,35.662 158.915,35.662 ; 156.108,18.494 157.899,18.494 157.899,19.031 ; 157.886,41.25 160.947,41.25 160.947,40.713 ; 157.899,22.558 157.899,23.095 ; 157.899,27.505 157.899,28.042 ; 157.899,30.178 157.899,30.715 ; 157.899,35.125 157.899,35.662 ; 160.782,44.298 162.217,44.298 ; 162.217,43.761 162.217,44.298 ; 163.487,40.713 163.487,41.25 166.548,41.25 ; 163.652,44.298 162.217,44.298 ; 165.595,83.992 167.03,83.992 ; 167.03,83.455 167.03,83.992 ; 167.779,79.778 170.84,79.778 ; 167.779,85.262 170.84,85.262 ; 168.465,83.992 167.03,83.992 ; 169.824,79.778 169.824,80.315 ; 169.824,84.725 169.824,85.262 ; 176.528,-0.235 180.943,-0.235 ; 187.734,5.957 192.447,5.957
  text "SCL_11" at 171.978,85.389 h0.6
  text "GND" at 167.894,84.119 h0.6
  text "SDA_11" at 171.978,78.762 h0.6
  text "DIOT_Kasli_Adapter v1.0" at 135.949,45.216 h1.6
  text "GND" at 163.081,44.425 h0.6
  text "Clock" at 59.055,42.469 h1.52
  text "P12V0" at 162.085,41.377 h0.6
  text "P3V3" at 166.548,41.377 h0.6
  text "WUT ISE 2023" at 126.405,41.25 h1.02
  text "CLK 1" at 43.419,41.021 h1.52
  text "CLK 0" at 73.787,41.021 h1.52
  text "Licensed under CERN-OHL-W v2 or later" at 131.438,40.166 h0.6
  text "inputs" at 59.817,39.929 h1.52
  text "SCL_8" at 160.053,35.789 h0.6
  text "SDA_8" at 160.053,29.162 h0.6
  text "SCL_9" at 160.053,28.169 h0.6
  text "SDA_9" at 160.053,21.542 h0.6
  text "GND" at 158.013,17.605 h0.6
  text "PS_ON_N" at 192.447,6.034 h0.6
  text "P5V0_MP" at 180.727,-0.159 h0.6
Top Solder:
  rectangle: -2.947,-4.947 215.849,-3.15
  region: 202.467,46.205 202.467,42.705 216.43,42.705 216.43,46.205
Bottom Solder:
  rectangle: -2.947,-4.947 215.849,-3.15
  region: 202.467,46.205 202.467,42.705 216.43,42.705 216.43,46.205
Mechanical 1:
  drawing of 201 lines, arcs and shapes, not listed
  text "Layer" at 7.461,191.033 h1.52
  text "Name" at 17.873,191.033 h1.52
  text "Material" at 41.488,191.033 h1.52
  text "Thickness" at 63.326,191.033 h1.52
  text "Constant" at 79.832,191.033 h1.52
  text "Gerber" at 94.307,191.033 h1.52
  text "Top Overlay" at 17.873,187.985 h1.52
  text "GTO" at 94.307,187.985 h1.52
  text "Top Solder" at 17.873,184.937 h1.52
  text "Solder Resist" at 41.488,184.937 h1.52
  text "0,010mm" at 63.326,184.937 h1.52
  text "3.5" at 79.832,184.937 h1.52
  text "GTS" at 94.307,184.937 h1.52
  text "1" at 7.461,181.889 h1.52
  text "Top Layer" at 17.873,181.889 h1.52
  text "0,047mm" at 63.326,181.889 h1.52
  text "GTL" at 94.307,181.889 h1.52
  text "Dielectric1" at 17.873,178.841 h1.52
  text "FR-4" at 41.488,178.841 h1.52
  text "0,112mm" at 63.326,178.841 h1.52
  text "4.2" at 79.832,178.841 h1.52
  text "2" at 7.461,175.793 h1.52
  text "L2GND" at 17.873,175.793 h1.52
  text "0,018mm" at 63.326,175.793 h1.52
  text "GP1" at 94.307,175.793 h1.52
  text "Dielectric 2" at 17.873,172.745 h1.52
  text "FR-4" at 41.488,172.745 h1.52
  text "0,102mm" at 63.326,172.745 h1.52
  text "4.2" at 79.832,172.745 h1.52
  text "3" at 7.461,169.697 h1.52
  text "L3" at 17.873,169.697 h1.52
  text "0,018mm" at 63.326,169.697 h1.52
  text "G1" at 94.307,169.697 h1.52
  text "Dielectric 3" at 17.873,166.649 h1.52
  text "FR-4" at 41.488,166.649 h1.52
  text "0,180mm" at 63.326,166.649 h1.52
  text "4.2" at 79.832,166.649 h1.52
  text "4" at 7.461,163.601 h1.52
  text "L4" at 17.873,163.601 h1.52
  text "0,018mm" at 63.326,163.601 h1.52
  text "G2" at 94.307,163.601 h1.52
  text "Dielectric 4" at 17.873,160.553 h1.52
  text "FR-4" at 41.488,160.553 h1.52
  text "0,102mm" at 63.326,160.553 h1.52
  text "4.2" at 79.832,160.553 h1.52
  text "5" at 7.461,157.505 h1.52
  text "L5GND" at 17.873,157.505 h1.52
  text "0,018mm" at 63.326,157.505 h1.52
  text "GP2" at 94.307,157.505 h1.52
  text "Dielectric 5" at 17.873,154.457 h1.52
  text "FR-4" at 41.488,154.457 h1.52
  text "0,112mm" at 63.326,154.457 h1.52
  text "4.2" at 79.832,154.457 h1.52
  text "6" at 7.461,151.409 h1.52
  text "L6" at 17.873,151.409 h1.52
  text "0,018mm" at 63.326,151.409 h1.52
  text "G3" at 94.307,151.409 h1.52
  text "Dielectric 6" at 17.873,148.361 h1.52
  text "FR-4" at 41.488,148.361 h1.52
  text "0,203mm" at 63.326,148.361 h1.52
  text "4.2" at 79.832,148.361 h1.52
  text "7" at 7.461,145.313 h1.52
  text "L7" at 17.873,145.313 h1.52
  text "0,018mm" at 63.326,145.313 h1.52
  text "G4" at 94.307,145.313 h1.52
  text "Dielectric 7" at 17.873,142.265 h1.52
  text "FR-4" at 41.488,142.265 h1.52
  text "0,112mm" at 63.326,142.265 h1.52
  text "4.2" at 79.832,142.265 h1.52
  text "8" at 7.461,139.217 h1.52
  text "L8GND" at 17.873,139.217 h1.52
  text "0,018mm" at 63.326,139.217 h1.52
  text "GP3" at 94.307,139.217 h1.52
  text "Dielectric 8" at 17.873,136.169 h1.52
  text "FR-4" at 41.488,136.169 h1.52
  text "0,102mm" at 63.326,136.169 h1.52
  text "4.2" at 79.832,136.169 h1.52
  text "9" at 7.461,133.121 h1.52
  text "L9" at 17.873,133.121 h1.52
  text "0,018mm" at 63.326,133.121 h1.52
  text "G5" at 94.307,133.121 h1.52
  text "Dielectric 9" at 17.873,130.073 h1.52
  text "FR-4" at 41.488,130.073 h1.52
  text "0,180mm" at 63.326,130.073 h1.52
  text "4.2" at 79.832,130.073 h1.52
  text "10" at 7.461,127.025 h1.52
  text "L10" at 17.873,127.025 h1.52
  text "0,018mm" at 63.326,127.025 h1.52
  text "G6" at 94.307,127.025 h1.52
  text "Dielectric 10" at 17.873,123.977 h1.52
  text "FR-4" at 41.488,123.977 h1.52
  text "0,102mm" at 63.326,123.977 h1.52
  text "4.2" at 79.832,123.977 h1.52
  text "11" at 7.461,120.929 h1.52
  text "L11GND" at 17.873,120.929 h1.52
  text "0,018mm" at 63.326,120.929 h1.52
  text "GP4" at 94.307,120.929 h1.52
  text "Dielectric 11" at 17.873,117.881 h1.52
  text "FR-4" at 41.488,117.881 h1.52
  text "0,112mm" at 63.326,117.881 h1.52
  text "4.2" at 79.832,117.881 h1.52
  text "12" at 7.461,114.833 h1.52
  text "Bottom Layer" at 17.873,114.833 h1.52
  text "0,047mm" at 63.326,114.833 h1.52
  text "GBL" at 94.307,114.833 h1.52
  text "Bottom Solder" at 17.873,111.785 h1.52
  text "Solder Resist" at 41.488,111.785 h1.52
  text "0,010mm" at 63.326,111.785 h1.52
  text "3.5" at 79.832,111.785 h1.52
  text "GBS" at 94.307,111.785 h1.52
  text "Bottom Overlay" at 17.873,108.737 h1.52
  text "GBO" at 94.307,108.737 h1.52
  text "Total board thickness:" at 7.461,105.689 h1.52
  text "1,711mm" at 63.326,105.689 h1.52
Mechanical 2:
  text "Components" at 208.72,-39.085 h1.91
  text ".Component_Count" at 226.5,-39.085 h1.91
  text "Pins" at 208.72,-41.625 h1.91
  text ".Pad_Count" at 226.5,-41.625 h1.91
  text "Vias" at 208.72,-44.165 h1.91
  text ".Via_Count" at 226.5,-44.165 h1.91
  text "Holes" at 208.72,-46.705 h1.91
  text ".Hole_Count" at 226.5,-46.705 h1.91
  text "Nets" at 208.72,-49.245 h1.91
  text ".Net_Count" at 226.5,-49.245 h1.91
Corners:
  lines w0.254: -8.58,-5.565 -3.58,-5.565 ; -8.57,94.45 -3.57,94.45 -3.57,99.45 ; -3.57,-10.54 -3.57,-5.54 ; 81.005,-53.175 81.005,-48.095 ; 86.085,-53.175 86.085,-48.095 ; 91.165,-53.175 91.165,-48.095 ; 101.335,-53.175 101.335,-48.095 ; 106.415,-53.175 106.415,-48.095 ; 111.495,-53.175 111.495,-48.095 ; 121.655,-53.175 121.655,-48.095 ; 126.735,-53.175 126.735,-48.095 ; 131.815,-53.175 131.815,-48.095 ; 216.461,-10.55 216.461,-5.55 221.461,-5.55 ; 216.461,99.45 216.461,94.45 221.461,94.45 ; 116.575,-53.175 116.575,-48.095 ; 116.575,-53.175 96.255,-53.175 96.255,-48.095 116.575,-48.095 ; 116.575,-53.175 116.575,-48.095 ; 116.575,-53.175 136.895,-53.175 136.895,-48.095 116.575,-48.095 ; 75.925,-53.175 96.245,-53.175 96.245,-48.095 75.925,-48.095 75.925,-53.175
Notvisible:
  circle w0.127: c63.19,88.9 r1.35
  circle w0.127: c64,0 r1.35
  lines w0.025: 96.537,18.814 113.337,21.814 ; 96.537,21.814 113.337,18.814
  lines w0.05: -3.57,2.05 -3.57,-5.55 4.03,-5.55 ; 198.969,44.45 214.369,44.45
  lines w0.127: -3.57,91.95 156.43,91.95 ; 1.43,91.95 236.892,91.95 ; 1.43,93.45 155.93,93.45 ; 62.235,87.945 63.19,88.9 64.145,87.945 ; 63.045,-0.955 64,0 64.955,-0.955 ; 130.43,-4.55 130.43,-3.05 ; 130.43,91.95 130.43,93.45 ; 170.43,44.45 170.43,94.45 ; 248.03,15.95 248.03,17.45
  lines w0.5: -3.57,-5.55 36.43,-5.55 36.43,-7 ; 41.43,-7 41.43,-6.5 41.43,-5.55 43.755,-5.55 ; 171.03,-7.5 171.03,-5.55 ; 176.03,-7.5 176.03,-5.55
  lines w1: 194.82,-5.55 194.82,94.45
  lines w1.27: 158.93,-5.55 158.93,94.45 ; 189.805,-6.1 189.805,73.95 ; 189.805,74 189.805,94.637
Mechanical 9:
  region: 61.43,90.017 63.43,90.35 61.43,90.683
  region: 64.68,90.35 66.68,90.017 66.68,90.683
  region: 121.38,90.4 123.38,90.067 123.38,90.733
  region: 113.43,90.067 115.43,90.4 113.43,90.733
  pour cut-out: 222.802,-18.517 206.292,-18.517 206.292,-12.326 222.802,-12.326
  pour cut-out: -9.727,-12.362 6.783,-12.362 6.783,-18.554 -9.727,-18.554
  pour cut-out: 206.546,107.498 211.626,107.498 211.626,101.307 206.546,101.307
  lines w0.1: -3.57,-8.24 -3.57,-5.54
  lines w0.2: -20.97,-7.94 234.005,-7.94 ; -20.97,96.86 234.045,96.86 ; -2.789,-15.435 1.633,-15.435 ; 6.482,-15.435 207.08,-15.435 ; 59.43,90.35 61.43,90.35 ; 63.43,86.95 63.43,93.26 ; 63.43,90.35 64.68,90.35 ; 64.68,89.5 64.68,94.46 ; 66.68,90.35 71.49,90.35 ; 111.43,90.4 113.43,90.4 ; 115.43,89.4 115.43,95.71 ; 115.48,90.4 121.33,90.4 ; 121.43,89.4 121.43,95.66 ; 123.38,90.4 128.19,90.4 ; 211.812,-15.435 216.234,-15.435 ; 212.256,102.757 211.856,103.157 ; 212.256,103.557 211.856,103.157 ; 214.03,111.86 -20.97,111.86 -20.97,-22.94 234.13,-22.94 ; 224.005,75.894 224.005,95.16 224.005,96.874 217.722,103.157 211.856,103.157 ; 234.045,-22.94 234.045,111.86
  lines w0.254: -9.57,-5.54 -3.57,-5.54 ; 8.43,-6.64 8.43,-3.64 ; 8.43,-5.54 8.43,94.46 ; 8.43,93.35 8.43,96.35 ; 63.43,-5.54 63.43,94.46 ; 63.43,-6.64 63.43,-3.64 ; 63.43,93.36 63.43,96.36 ; 118.43,-5.54 118.43,94.46 ; 118.43,-6.64 118.43,-3.64 ; 118.43,93.36 118.43,96.36 ; 173.43,-6.64 173.43,-3.64 ; 173.43,-5.54 173.43,94.46 ; 173.43,93.36 173.43,96.36 ; 181.033,89.363 176.47,93.926 ; 181.13,89.36 193.34,89.36 ; 216.445,-8.24 216.445,-5.54 ; 223.455,-4.905 223.455,-11.044 222.106,-12.393 ; 176.47,93.926 176.97,92.426 177.97,93.426 176.47,93.926 ; 222.106,-12.393 223.606,-11.893 222.606,-10.893 222.106,-12.393
  text "Area Without Copper and Without Solder Mask - On Both Sides" at 63.13,105.26 h2.54
  text "6.0" at 124.174,91.2 h1.5
  text "1.25" at 67.474,91.15 h1.5
  text "NOT PLATED HOLES" at 181.305,90 h2
  text "Ø0.8" at 181.18,87.5 h2
  text "3x OPTICAL TARGET" at 223.4,69.44 h3 r90
  text "Ø2mm Not Drilled" at 226.257,69.44 h3 r90
  text "Dimensions are rounded to 0.1mm. Gerber data is the reference" at 232.98,2.08 h3 r90
  text "ALL DIMENSIONS ARE IN MILLIMETERS" at 230.122,-3.952 h5 r90
  text "Ø3.5 ±0.05" at 222.502,-4.27 h2 r90
  text "NOT PLATED HOLE" at 224.407,-4.27 h2 r90
  text "Area Without Copper and Without Solder Mask - On Both Sides" at 66.93,-13.14 h2.54

## Dimensions
-9.907,-0.248 to 0,88.9 on Notvisible
-9.907,-0.248 to -3.57,-5.55 on Notvisible
-9.907,-0.248 to -3.57,-5.55 on Notvisible
-3.395,94.5 to -3.57,-5.55 on Notvisible
209.086,107.498 to 234.045,111.86 on Mechanical 9
211.626,104.403 to 214.03,111.86 on Mechanical 9
-20.97,-22.94 to -20.97,96.86 on Mechanical 9
-20.97,-22.94 to 4.03,-15.44 on Mechanical 9
-20.97,-22.94 to -5.97,-15.44 on Mechanical 9
-20.97,-22.94 to -12.57,-5.55 on Mechanical 9
-3.57,-5.55 to 0,0 on Drill Drawing
0,0 to -3.57,-5.55 on Drill Drawing
136.444,-3 to 214.369,11.95 on Notvisible
136.444,-3 to 214.369,27.95 on Notvisible
222.63,-5.55 to 220.445,94.45 on Mechanical 2
-3.57,94.45 to 216.461,99.45 on Mechanical 2
-3.58,-5.565 to -3.57,1.682 on Mechanical 2
-3.57,1.682 to -3.57,64.182 on Mechanical 2
-3.57,3.353 to -0.07,3.182 on Mechanical 2

## Text inside footprints (layer, text, board x,y; h text height)
J3: Top Overlay "1" at 194.419,-1.4 h1 r90; Top Overlay "L" at 199.469,-3.25 h1 r90; Top Overlay "2" at 194.419,0.6 h1 r90; Top Overlay "K" at 200.869,-3.25 h1 r90; Top Overlay "J" at 202.269,-3.25 h1 r90; Top Overlay "I" at 203.669,-3 h1 r90; Top Overlay "H" at 205.069,-3.25 h1 r90; Top Overlay "G" at 206.469,-3.25 h1 r90; Top Overlay "F" at 207.869,-3.25 h1 r90; Top Overlay "3" at 194.419,2.6 h1 r90; Top Overlay "4" at 194.419,4.6 h1 r90; Top Overlay "5" at 194.419,6.6 h1 r90; Top Overlay "6" at 194.419,8.6 h1 r90; Top Overlay "E" at 209.269,-3.25 h1 r90; Top Overlay "D" at 210.669,-3.25 h1 r90; Top Overlay "C" at 212.069,-4.25 h1 r90; Top Overlay "B" at 213.469,-4.25 h1 r90; Top Overlay "A" at 214.869,-4.25 h1 r90; Notvisible "Edge of Daugher Card" at 217.219,0.725 h0.5 r90; Notvisible "Top Surface of Mother Board" at 228.719,-0.425 h0.5 r90; Mechanical 14 "L" at 199.469,-3.25 h1 r90; Mechanical 14 "2" at 194.419,0.6 h1 r90; Mechanical 14 "1" at 194.419,-1.4 h1 r90; Mechanical 14 "K" at 200.869,-3.25 h1 r90; Mechanical 14 "J" at 202.269,-3.25 h1 r90; Mechanical 14 "I" at 203.669,-3 h1 r90; Mechanical 14 "H" at 205.069,-3.25 h1 r90; Mechanical 14 "G" at 206.469,-3.25 h1 r90; Mechanical 14 "F" at 207.869,-3.25 h1 r90; Mechanical 14 "3" at 194.419,2.6 h1 r90; Mechanical 14 "4" at 194.419,4.6 h1 r90; Mechanical 14 "5" at 194.419,6.6 h1 r90; Mechanical 14 "6" at 194.419,8.6 h1 r90; Mechanical 14 "E" at 209.269,-3.25 h1 r90; Mechanical 14 "D" at 210.669,-3.25 h1 r90; Mechanical 14 "C" at 212.069,-4.25 h1 r90; Mechanical 14 "B" at 213.469,-4.25 h1 r90; Mechanical 14 "A" at 214.869,-4.25 h1 r90
J4: Top Overlay "1" at 194.419,11.6 h1 r90; Top Overlay "2" at 194.419,13.6 h1 r90; Top Overlay "3" at 194.419,15.6 h1 r90; Top Overlay "4" at 194.419,17.6 h1 r90; Top Overlay "5" at 194.419,19.6 h1 r90; Top Overlay "6" at 194.419,21.6 h1 r90; Top Overlay "7" at 194.419,23.6 h1 r90; Top Overlay "8" at 194.419,25.6 h1 r90; Notvisible "Top Surface of Mother Board" at 228.719,14.575 h0.5 r90; Notvisible "Edge of Daugher Card" at 217.219,15.725 h0.5 r90; Mechanical 14 "1" at 194.419,11.6 h1 r90; Mechanical 14 "L" at 199.469,9.75 h1 r90; Mechanical 14 "2" at 194.419,13.6 h1 r90; Mechanical 14 "K" at 200.869,9.75 h1 r90; Mechanical 14 "J" at 202.269,9.75 h1 r90; Mechanical 14 "3" at 194.419,15.6 h1 r90; Mechanical 14 "4" at 194.419,17.6 h1 r90; Mechanical 14 "I" at 203.669,10 h1 r90; Mechanical 14 "H" at 205.069,9.75 h1 r90; Mechanical 14 "G" at 206.469,9.75 h1 r90; Mechanical 14 "5" at 194.419,19.6 h1 r90; Mechanical 14 "6" at 194.419,21.6 h1 r90; Mechanical 14 "7" at 194.419,23.6 h1 r90; Mechanical 14 "8" at 194.419,25.6 h1 r90; Mechanical 14 "F" at 207.869,9.75 h1 r90; Mechanical 14 "E" at 209.269,9.75 h1 r90; Mechanical 14 "D" at 210.669,9.75 h1 r90; Mechanical 14 "C" at 212.069,9.75 h1 r90; Mechanical 14 "B" at 213.469,9.75 h1 r90; Mechanical 14 "A" at 214.869,9.75 h1 r90
J5: Top Overlay "8" at 194.419,41.6 h1 r90; Top Overlay "7" at 194.419,39.6 h1 r90; Top Overlay "6" at 194.419,37.6 h1 r90; Top Overlay "5" at 194.419,35.6 h1 r90; Top Overlay "4" at 194.419,33.6 h1 r90; Top Overlay "3" at 194.419,31.6 h1 r90; Top Overlay "2" at 194.419,29.6 h1 r90; Top Overlay "1" at 194.419,27.6 h1 r90; Notvisible "Edge of Daugher Card" at 217.219,31.725 h0.5 r90; Notvisible "Top Surface of Mother Board" at 228.719,30.575 h0.5 r90; Mechanical 14 "A" at 214.869,25.75 h1 r90; Mechanical 14 "B" at 213.469,25.75 h1 r90; Mechanical 14 "C" at 212.069,25.75 h1 r90; Mechanical 14 "D" at 210.669,25.75 h1 r90; Mechanical 14 "E" at 209.269,25.75 h1 r90; Mechanical 14 "F" at 207.869,25.75 h1 r90; Mechanical 14 "8" at 194.419,41.6 h1 r90; Mechanical 14 "7" at 194.419,39.6 h1 r90; Mechanical 14 "6" at 194.419,37.6 h1 r90; Mechanical 14 "5" at 194.419,35.6 h1 r90; Mechanical 14 "G" at 206.469,25.75 h1 r90; Mechanical 14 "H" at 205.069,25.75 h1 r90; Mechanical 14 "I" at 203.669,26 h1 r90; Mechanical 14 "4" at 194.419,33.6 h1 r90; Mechanical 14 "3" at 194.419,31.6 h1 r90; Mechanical 14 "J" at 202.269,25.75 h1 r90; Mechanical 14 "K" at 200.869,25.75 h1 r90; Mechanical 14 "2" at 194.419,29.6 h1 r90; Mechanical 14 "L" at 199.469,25.75 h1 r90; Mechanical 14 "1" at 194.419,27.6 h1 r90
J6: Top Overlay "1" at 194.419,46.6 h1 r90; Top Overlay "2" at 194.419,48.6 h1 r90; Top Overlay "3" at 194.419,50.6 h1 r90; Top Overlay "4" at 194.419,52.6 h1 r90; Top Overlay "5" at 194.419,54.6 h1 r90; Top Overlay "6" at 194.419,56.6 h1 r90; Top Overlay "7" at 194.419,58.6 h1 r90; Top Overlay "8" at 194.419,60.6 h1 r90; Notvisible "Top Surface of Mother Board" at 228.719,49.575 h0.5 r90; Notvisible "Edge of Daugher Card" at 217.219,50.725 h0.5 r90; Mechanical 14 "1" at 194.419,46.6 h1 r90; Mechanical 14 "L" at 199.469,44.75 h1 r90; Mechanical 14 "2" at 194.419,48.6 h1 r90; Mechanical 14 "K" at 200.869,44.75 h1 r90; Mechanical 14 "J" at 202.269,44.75 h1 r90; Mechanical 14 "3" at 194.419,50.6 h1 r90; Mechanical 14 "4" at 194.419,52.6 h1 r90; Mechanical 14 "I" at 203.669,45 h1 r90; Mechanical 14 "H" at 205.069,44.75 h1 r90; Mechanical 14 "G" at 206.469,44.75 h1 r90; Mechanical 14 "5" at 194.419,54.6 h1 r90; Mechanical 14 "6" at 194.419,56.6 h1 r90; Mechanical 14 "7" at 194.419,58.6 h1 r90; Mechanical 14 "8" at 194.419,60.6 h1 r90; Mechanical 14 "F" at 207.869,44.75 h1 r90; Mechanical 14 "E" at 209.269,44.75 h1 r90; Mechanical 14 "D" at 210.669,44.75 h1 r90; Mechanical 14 "C" at 212.069,44.75 h1 r90; Mechanical 14 "B" at 213.469,44.75 h1 r90; Mechanical 14 "A" at 214.869,44.75 h1 r90
J7: Top Overlay "1" at 194.419,62.6 h1 r90; Top Overlay "2" at 194.419,64.6 h1 r90; Top Overlay "3" at 194.419,66.6 h1 r90; Top Overlay "4" at 194.419,68.6 h1 r90; Top Overlay "5" at 194.419,70.6 h1 r90; Top Overlay "6" at 194.419,72.6 h1 r90; Notvisible "Edge of Daugher Card" at 217.219,64.725 h0.5 r90; Notvisible "Top Surface of Mother Board" at 228.719,63.575 h0.5 r90; Mechanical 14 "L" at 199.469,60.75 h1 r90; Mechanical 14 "2" at 194.419,64.6 h1 r90; Mechanical 14 "1" at 194.419,62.6 h1 r90; Mechanical 14 "J" at 202.269,60.75 h1 r90; Mechanical 14 "K" at 200.869,60.75 h1 r90; Mechanical 14 "3" at 194.419,66.6 h1 r90; Mechanical 14 "I" at 203.669,61 h1 r90; Mechanical 14 "H" at 205.069,60.75 h1 r90; Mechanical 14 "G" at 206.469,60.75 h1 r90; Mechanical 14 "4" at 194.419,68.6 h1 r90; Mechanical 14 "5" at 194.419,70.6 h1 r90; Mechanical 14 "6" at 194.419,72.6 h1 r90; Mechanical 14 "E" at 209.269,60.75 h1 r90; Mechanical 14 "F" at 207.869,60.75 h1 r90; Mechanical 14 "D" at 210.669,60.75 h1 r90; Mechanical 14 "B" at 213.469,60.75 h1 r90; Mechanical 14 "C" at 212.069,60.75 h1 r90; Mechanical 14 "A" at 214.869,60.75 h1 r90